# Altium PCB PCB1.PcbDoc (part 2 of 2)
Units mm, origin at the board's own origin, x right, y up, seen from the top; angles counter-clockwise.
Board outline 100 x 60 mm, 2 copper layers (Top Layer, Bottom Layer), stack 1.271 mm thick; 133 components, 105 nets, 458 pads, 250 vias.
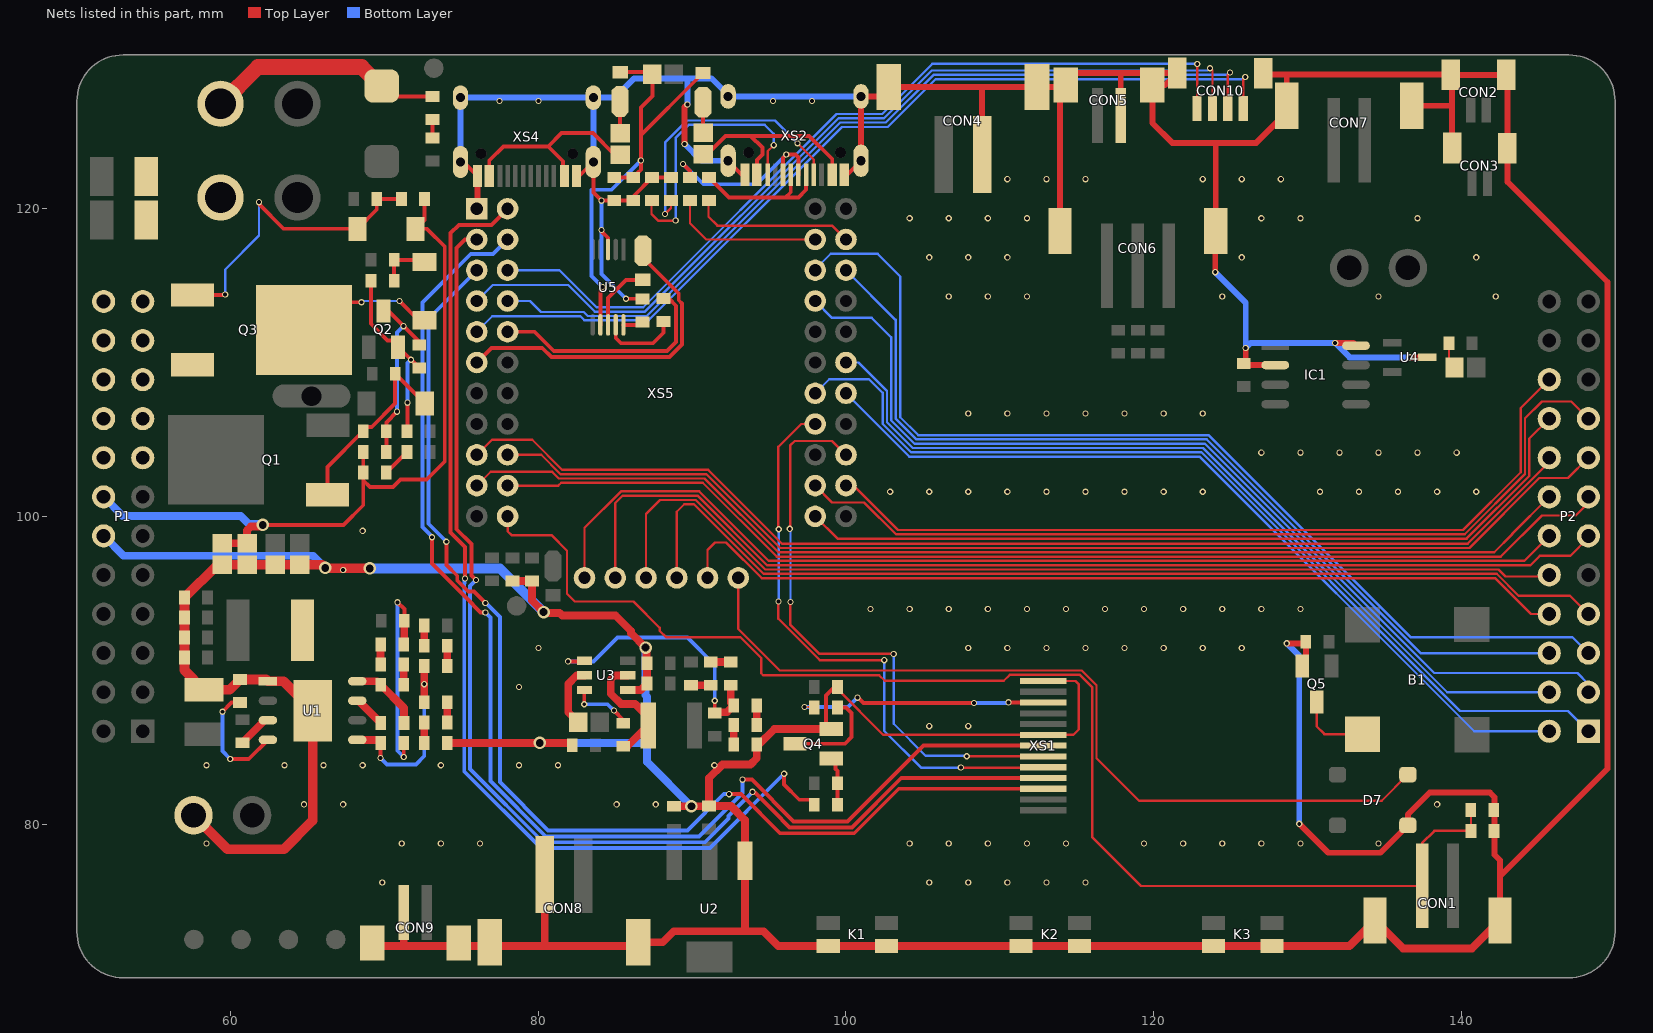
[diagram p2: the nets of this part, all layers, seen from the top]

## Via types
v1: diameter 0.406, hole 0.254, Top Layer to Bottom Layer, 227 vias
v2: diameter 0.813, hole 0.508, Top Layer to Bottom Layer, 23 vias

## Nets (pads, with @x,y where several pads share a name; then routed paths per layer and width w, separated by ;. In a path a pad name is that pad's centre, name@x,y a point inside that pad or via, vN(x,y) a via of type N, cw(c..) or ccw(c..) an arc to the next point about the centre after c; other vN are vias at no path point) (continued)
GND: 12V.2 C3.2 C4.2 C5.2 C6.2 C7.1 C17.1 C18.1 C19.1 C20.2 C21.2 C23.1 C24.2 C25.2 C26.1 C27.1 C28.1 C29.1 CON1.0 CON2.0 CON3.0 CON4.0 CON4.2 CON5.0 CON5.2 CON6.0 CON7.0 CON8.0 CON8.2 CON9.0 CON9.2 CON10.0 D7.3 IC1.2 IC1.8 K1.2 K2.2 K3.2 P1.12 Q4.2 Q5.2 R9.2 R15.1 R21.2 R22.1 R23.2 R24.1 R30.1 R31.2 R32.2 R43.2 R49.1 R50.1 U1.1 U1.9 U2.1 U3.1 U4.3 U5.3 XS1.8 XS1.13 XS2.13 XS2.14 XS2.15 XS2.16 XS2.A1B12 XS2.B1A12 XS4.13 XS4.14 XS4.15 XS4.16 XS4.A1B12 XS4.B1A12 XS5.1 | length 524.9
  Top Layer w0.152: C23.1@99.441,88.9 99.441,88.773 102.421,85.793 XS1.8@112.827,85.793 114.774,85.793 115.138,86.157 115.138,89.078 114.923,89.293 XS1.13@112.827,89.293
  Top Layer w0.254: XS4.14@74.936,123.041 75.121,123.041 XS4.B1A12@76.036,122.126 ; XS4.A1B12@82.481,122.126 82.661,122.126 XS4.13@83.576,123.041 83.576,121.046 v1(84.099,120.523) 84.926,120.523 C26.1@84.938,120.535 C27.1@86.167,120.535 86.167,120.806 R31.2@87.396,122.035 R32.2@88.626,122.035 ; v1(84.099,118.618) 84.099,118.577 84.176,118.501 84.176,118.466 84.526,118.115 84.526,117.353 U5.3@84.531,117.348 ; v1(85.7,114.148) 86.754,114.148 C25.2@86.766,114.136 ; XS2.14@92.335,123.117 93.25,122.202 XS2.B1A12@93.435,122.202 ; Q4.2@98.73,86.167 98.691,86.206 98.691,88.35 99.241,88.9 C23.1@99.441,88.9 ; XS2.A1B12@99.88,122.202 100.06,122.202 XS2.13@100.975,123.117
  Top Layer w0.381: XS5.1@76,120 76.036,120.036 XS4.B1A12@76.036,122.126 ; v1(89.51,124.206) 89.51,126.619 v1@89.637,126.746 ; XS2.13@100.975,123.117 XS2.15@100.975,127.297 102.151,127.297 CON4.0@102.768,127.914 108.966,127.914 ; CON4.2@108.844,123.515 108.844,127.793 108.966,127.914 ; CON6.0@113.91,118.542 113.91,127.673 CON5.0@114.151,127.914 ; CON5.2@117.858,126.06 117.858,128.765 117.805,128.817 ; v1(124.003,115.875) 124.003,118.507 CON6.0@124.038,118.542 124.038,124.184 123.939,124.282 ; v1(125.984,110.947) 125.984,110.072 C24.2@125.857,109.945 125.972,109.83 IC1.2@127.906,109.83 ; CON10.0@127.125,128.803 127.213,128.716 128.651,128.716 ; v1(128.651,91.745) 129.793,91.745 R50.1@129.894,91.846 129.894,90.516 Q5.2@129.657,90.278 ; v1(129.464,80.01) 131.343,78.13 134.747,78.13 D7.3@136.525,79.908 136.525,80.62 137.947,82.042 141.859,82.042 142.164,81.737 142.164,78.003 142.519,77.648 142.519,76.606 ; v1(131.801,111.277) 132.978,111.277 IC1.8@133.156,111.1 ; v1(136.652,110.338) U4.3@137.795,110.338 ; CON7.0@136.779,126.695 139.297,126.695 139.399,126.594 ; CON3.0@139.399,123.941 139.399,126.594 ; CON1.0@142.519,73.736 142.519,76.606 ; 108.966,127.914 CON4.0@112.42,127.914 CON5.0@114.151,127.914 ; CON5.0@114.151,127.914 CON5.0@114.278,128.041 115.054,128.817 117.805,128.817 ; 117.805,128.817 CON10.0@121.525,128.817 120.749,128.041 CON5.0@119.914,128.041 119.914,125.577 121.209,124.282 123.939,124.282 ; 123.939,124.282 126.67,124.282 128.651,126.263 CON7.0@128.651,126.695 128.651,128.716 ; 128.651,128.716 CON2.0@139.322,128.716 CON2.0@139.336,128.702 ; CON2.0@139.336,128.702 139.399,128.64 139.399,126.594 ; CON2.0@139.336,128.702 CON2.0@142.922,128.702 142.999,128.626 CON3.0@142.999,123.927 142.999,121.746 149.504,115.24 149.504,83.591 142.519,76.606
  Top Layer w0.508: CON9.0@69.189,72.263 69.189,72.063 71.272,72.063 ; CON9.2@71.245,74.244 71.245,72.09 71.272,72.063 ; R15.1@74.08,85.268 82.054,85.268 C19.1@82.206,85.115 ; R49.1@78.308,95.795 C29.1@79.578,95.795 79.578,94.539 80.399,93.718 81.382,93.718 81.552,93.548 85.024,93.548 86.033,92.54 86.033,92.402 v2(86.97,91.465) ; CON8.2@80.411,76.713 80.411,72.17 80.518,72.063 ; U3.1@85.801,88.712 86.655,88.712 C20.2@87.071,89.129 C21.2@87.071,90.449 87.02,90.5 v2@87.02,91.491 ; C18.1@88.824,81.154 v2(89.948,81.154) 91.072,81.154 C17.1@91.084,81.166 ; Q4.2@98.73,86.167 95.336,86.167 94.336,85.166 R30.1@94.197,85.166 94.197,84.279 93.789,83.871 91.973,83.871 91.084,82.982 C17.1@91.084,81.166 ; CON1.0@142.519,73.736 140.691,71.907 136.22,71.907 CON1.0@134.391,73.736 132.728,72.073 K3.2@127.689,72.073 K3.2@123.889,72.073 K2.2@115.167,72.073 K2.2@111.367,72.073 K1.2@102.645,72.073 K1.2@98.845,72.073 95.592,72.073 94.64,73.025 93.523,73.025 ; 71.272,72.063 80.518,72.063 ; 80.518,72.063 86.236,72.063 CON8.0@86.487,72.314 88.087,72.314 88.798,73.025 93.523,73.025 ; C17.1@91.084,81.166 92.519,81.166 93.435,80.25 U2.1@93.435,77.622 93.435,73.113 93.523,73.025
  Top Layer w0.635: 12V.2@57.582,80.569 59.792,78.359 63.475,78.359 65.329,80.213 U1.9@65.329,87.376 63.424,89.281 U1.1@62.42,89.281 62.305,89.396 R9.2@60.604,89.396 59.933,88.724 C7.1@58.268,88.724 56.996,89.996 C3.2@56.996,90.83 C4.2@56.996,92.126 C5.2@56.996,93.421 C6.2@56.996,94.717 59.127,96.847 R23.2@59.436,96.847 R21.2@61.061,96.847 R24.1@64.491,96.847 v2@65.941,96.847 ; v2@66.156,96.633 69.029,96.633 v2(69.043,96.618)
  Bottom Layer w0.254: v1(84.099,120.523) v1(84.099,118.618) 84.099,115.748 v1(85.7,114.148)
  Bottom Layer w0.381: XS4.14@74.936,123.041 XS4.16@74.936,127.221 XS4.15@83.576,127.221 ; XS4.13@83.576,123.041 XS4.15@83.576,127.221 ; v1(89.51,124.206) 90.598,123.117 XS2.14@92.335,123.117 ; v1(89.687,126.771) 89.687,128.398 89.613,128.473 ; XS2.15@100.975,127.297 XS2.16@92.335,127.297 92.335,127.4 91.262,128.473 89.613,128.473 ; v1(124.003,115.875) 125.984,113.894 v1(125.984,110.947) 126.314,111.277 v1(131.801,111.277) 132.74,110.338 v1(136.652,110.338) ; v1(128.651,91.745) 129.464,90.932 v1(129.464,80.01) ; XS4.15@83.576,127.221 84.981,127.221 86.233,128.473 89.613,128.473
  Bottom Layer w0.508: P1.12@51.74,98.73 53.035,97.434 65.354,97.434 v2(66.142,96.647) ; v2(80.086,85.268) 87.046,85.268 87.071,85.242 ; v2(86.97,91.465) 86.97,88.376 87.071,88.275 87.071,85.242 ; v2(89.948,81.154) 87.071,84.031 87.071,85.242
  Bottom Layer w0.635: v2(69.043,96.618) 77.499,96.618 v2(80.34,93.777)
  other v1: 69.85,76.2 105.41,76.2 107.95,76.2 110.49,76.2 113.03,76.2 115.57,76.2 58.42,78.74 71.12,78.74 73.66,78.74 76.2,78.74 104.14,78.74 106.68,78.74 109.22,78.74 111.76,78.74 114.3,78.74 119.38,78.74 121.92,78.74 124.46,78.74 127,78.74 129.54,78.74 134.62,78.74 64.77,81.28 67.31,81.28 85.09,81.28 87.63,81.28 138.43,81.28 58.42,83.82 63.5,83.82 66.04,83.82 68.58,83.82 73.66,83.82 78.74,83.82 81.28,83.82 91.44,83.82 105.41,86.36 107.95,86.36 78.74,88.9 80.01,91.44 107.95,91.44 110.49,91.44 113.03,91.44 115.57,91.44 118.11,91.44 120.65,91.44 123.19,91.44 125.73,91.44 101.6,93.98 104.14,93.98 106.68,93.98 109.22,93.98 111.76,93.98 114.3,93.98 116.84,93.98 119.38,93.98 121.92,93.98 124.46,93.98 127,93.98 129.54,93.98 67.31,96.52 68.58,99.06 102.87,101.6 105.41,101.6 107.95,101.6 110.49,101.6 113.03,101.6 115.57,101.6 118.11,101.6 120.65,101.6 123.19,101.6 130.81,101.6 133.35,101.6 135.89,101.6 138.43,101.6 140.97,101.6 127,104.14 129.54,104.14 132.08,104.14 134.62,104.14 137.16,104.14 139.7,104.14 107.95,106.68 110.49,106.68 113.03,106.68 115.57,106.68 118.11,106.68 120.65,106.68 123.19,106.68 106.68,114.3 109.22,114.3 111.76,114.3 124.46,114.3 134.62,114.3 142.24,114.3 105.41,116.84 107.95,116.84 110.49,116.84 125.73,116.84 140.97,116.84 104.14,119.38 106.68,119.38 109.22,119.38 111.76,119.38 127,119.38 129.54,119.38 137.16,119.38 110.49,121.92 113.03,121.92 115.57,121.92 123.19,121.92 125.73,121.92 128.27,121.92 77.47,127 80.01,127 95.25,127 97.79,127
HIN1: P2.3 XS5.44 | length 64.3
  Bottom Layer w0.152: XS5.44@98,114 99.097,112.903 100.374,112.903 101.676,112.903 102.946,111.633 102.946,106.239 104.461,104.724 123.334,104.724 138.244,89.814 147.549,89.814 148.26,89.103 P2.3@148.26,88.57
HIN2: P2.6 XS5.45 | length 59.8
  Bottom Layer w0.152: XS5.45@100,116 103.226,112.774 103.226,106.355 104.577,105.004 123.45,105.004 137.343,91.11 P2.6@145.72,91.11
HIN3: P2.5 XS5.46 | length 66.8
  Bottom Layer w0.152: XS5.46@98,116 98,116.059 99.009,117.069 102.057,117.069 103.53,115.595 103.53,106.445 104.693,105.283 123.565,105.283 136.697,92.151 147.219,92.151 P2.5@148.26,91.11
IA: P2.12 XS5.23 | length 69.5
  Top Layer w0.152: XS5.23@83,96 83,99.256 85.369,101.625 90.461,101.625 94.982,97.104 144.094,97.104 P2.12@145.72,98.73
IB: P2.11 XS5.24 | length 71.1
  Top Layer w0.152: XS5.24@85,96 85,100.861 85.485,101.346 90.345,101.346 94.866,96.825 144.501,96.825 145.11,97.434 147.091,97.434 148.26,98.603 P2.11@148.26,98.73
IBUS: P2.13 XS5.20 | length 74.2
  Top Layer w0.152: XS5.20@78,102 81.299,102 81.483,102.184 90.692,102.184 95.493,97.384 142.57,97.384 145.237,100.051 147.447,100.051 148.26,100.863 P2.13@148.26,101.27
IC: P2.14 XS5.19 | length 73.8
  Top Layer w0.152: XS5.19@76,102 76.903,102.903 78.374,102.903 78.382,102.895 80.896,102.895 81.328,102.464 90.808,102.464 95.608,97.663 142.138,97.663 143.305,98.83 143.305,98.856 P2.14@145.72,101.27
LCD_BLK: R40.2 XS5.2 | length 67.9
  Top Layer w0.254: v1(75.232,95.96) 75.232,98.021 74.295,98.958 74.295,118.415 74.834,118.954 76.954,118.954 XS5.2@78,120 ; v1(95.981,83.267) 95.981,82.555 96.959,81.578 97.718,81.578 97.941,81.355 R40.2@97.941,81.255
  Bottom Layer w0.254: v1(75.232,95.96) 75.203,95.93 75.203,95.656 75.184,95.636 75.184,83.414 80.162,78.435 91.149,78.435 v1(95.981,83.267)
LCD_CS: XS1.7 XS5.4 | length 83
  Top Layer w0.254: v1(73.08,98.64) 73.08,96.926 75.283,94.723 76.246,93.76 76.547,93.76 v1(76.556,93.751) ; v1(93.269,82.88) 93.878,82.88 96.596,80.162 100.101,80.162 105.032,85.093 XS1.7@112.827,85.093
  Bottom Layer w0.254: v1(73.08,98.64) 73.08,98.681 72.466,99.295 72.466,113.907 75.605,117.046 77.046,117.046 XS5.4@78,118 ; v1(76.556,93.751) 76.886,93.421 76.886,82.789 80.478,79.197 90.455,79.197 93.269,82.011 v1(93.269,82.88)
LCD_DC: XS1.5 XS5.36 | length 38.1
  Top Layer w0.152: v1(95.606,94.463) 95.606,93.345 98.298,90.653 v1(102.489,90.653) ; v1(95.631,99.162) 95.606,99.187 95.606,104.521 97.085,106 XS5.36@98,106 ; v1(107.467,83.668) 112.801,83.668 XS1.5@112.827,83.693
  Bottom Layer w0.152: v1(95.606,94.463) 95.631,94.488 v1(95.631,99.162) ; v1(102.489,90.653) 102.489,86.055 104.877,83.668 v1(107.467,83.668)
LCD_RES: XS1.6 XS5.33 | length 38.5
  Top Layer w0.152: v1(96.342,99.187) 96.368,99.212 96.368,104.597 96.674,104.903 99.097,104.903 XS5.33@100,104 ; v1(96.393,94.437) 96.368,94.412 96.368,92.978 98.287,91.059 v1(103.099,91.059) ; v1(107.848,84.404) 112.815,84.404 XS1.6@112.827,84.393
  Bottom Layer w0.152: v1(96.342,99.187) 96.393,99.136 v1(96.393,94.437) ; v1(103.099,91.059) 103.099,86.512 105.181,84.43 107.823,84.43 v1(107.848,84.404)
LCD_SCL: XS1.4 XS5.3 | length 79.1
  Top Layer w0.254: v1(75.946,95.86) 75.641,96.164 75.641,98.196 74.676,99.162 74.676,117.45 75.226,118 XS5.3@76,118 ; v1(93.926,82.091) 93.967,82.091 94.043,82.015 94.105,82.015 95.314,80.806 96.339,79.781 100.381,79.781 103.592,82.993 XS1.4@112.827,82.993
  Bottom Layer w0.254: v1(75.946,95.86) 75.565,95.479 75.565,83.571 80.32,78.816 90.83,78.816 92.364,80.349 92.364,80.529 v1(93.926,82.091)
LCD_SDA: XS1.3 XS5.5 | length 76.6
  Top Layer w0.254: v1(74.016,98.351) 74.016,96.85 74.727,96.139 74.727,95.819 75.441,95.104 75.812,95.104 v1(76.556,94.361) ; v1(92.405,81.94) 93.167,81.94 95.707,79.4 100.539,79.4 103.431,82.293 XS1.3@112.827,82.293
  Bottom Layer w0.254: v1(74.016,98.351) 72.847,99.519 72.847,112.847 XS5.5@76,116 ; v1(76.556,94.361) 76.593,94.361 77.495,93.458 77.495,82.719 80.636,79.578 89.687,79.578 92.05,81.94 v1(92.405,81.94)
LIN1: P2.2 XS5.37 | length 54.8
  Bottom Layer w0.152: XS5.37@100,108 104.114,103.886 122.987,103.886 140.843,86.03 P2.2@145.72,86.03
LIN2: P2.1 XS5.38 | length 61.3
  Bottom Layer w0.152: XS5.38@98,108 98.915,108.915 101.498,108.915 102.387,108.026 102.387,106.008 104.23,104.165 123.103,104.165 139.917,87.351 146.939,87.351 P2.1@148.26,86.03
LIN3: P2.4 XS5.39 | length 55.8
  Bottom Layer w0.152: XS5.39@100,110 100.809,110 102.667,108.142 102.667,106.123 104.345,104.445 123.218,104.445 139.093,88.57 P2.4@145.72,88.57
MA_ADC: P2.8 XS5.27 | length 58.7
  Top Layer w0.152: XS5.27@91,96 91,97.807 91.491,98.298 92.208,98.298 94.519,95.987 142.189,95.987 144.526,93.65 P2.8@145.72,93.65
MB_ADC: P2.7 XS5.26 | length 66.7
  Top Layer w0.152: XS5.26@89,96 89,100.303 89.484,100.787 90.113,100.787 94.635,96.266 142.305,96.266 143.727,94.844 147.066,94.844 P2.7@148.26,93.65
MC_ADC: P2.10 XS5.25 | length 65.4
  Top Layer w0.152: XS5.25@87,96 87,100.157 87.909,101.067 90.229,101.067 94.75,96.545 142.421,96.545 142.878,96.088 145.618,96.088 P2.10@145.72,96.19
NetB1_2: B1.2 Q5.3 | length 4.8
  Top Layer w0.152: Q5.3@130.607,87.928 130.607,86.335 131.1,85.841 B1.2@133.577,85.841
NetC1_1: C1.1 L1.1 R6.2 U1.8 | length 4.7
  Top Layer w0.508: U1.8@68.229,89.281 69.518,89.281 R6.2@69.747,89.052 71.26,87.539 C1.1@71.26,86.563
NetC1_2: C1.2 U1.7 | length 2.1
  Top Layer w0.508: U1.7@68.229,88.011 68.313,88.011 C1.2@69.76,86.563
NetC2_2: C2.2 C8.1 R8.1 | length 14.1
  Top Layer w0.254: v1(70.841,94.412) 71.286,93.967 C2.2@71.286,93.218 ; v1(71.247,84.353) C8.1@71.247,85.268
  Top Layer w0.508: R8.1@71.247,91.669 71.286,91.707 C2.2@71.286,93.218
  Bottom Layer w0.254: v1(70.841,94.412) 70.841,84.76 v1(71.247,84.353)
NetC8_2: C8.2 R3.1 R13.2 U1.5 | length 12.8
  Top Layer w0.254: v1(69.736,84.29) 69.736,85.256 C8.2@69.747,85.268
  Top Layer w0.508: U1.5@68.229,85.471 69.544,85.471 C8.2@69.747,85.268 ; R13.2@72.58,87.92 v1(72.58,89.09) R3.1@72.58,90.261
  Bottom Layer w0.254: v1(69.736,84.29) 70.155,83.871 72.034,83.871 72.58,84.416 v1(72.58,89.09)
NetC9_1: C9.1 D1.1 Q1.1 R18.2 | length 12.4
  Top Layer w0.254: Q1.1@66.288,101.408 66.288,103.208 R18.2@68.617,105.537 68.617,105.596 68.84,105.819 69.167,105.819 70.688,107.34 70.688,109.044 70.802,109.157 D1.1@72.619,107.34
NetC10_2: C10.2 R12.1 | length 1.9
  Top Layer w0.254: C10.2@70.117,102.845 71.462,104.189 R12.1@71.462,104.191
NetC11_2: C11.2 D3.2 Q3.1 R10.1 | length 20.3
  Top Layer w0.254: Q3.1@57.528,114.39 59.602,114.39 v1(59.639,114.427) ; v1(61.839,120.426) 61.839,120.305 63.449,118.694 D3.2@68.237,118.694 69.494,119.952 R10.1@69.494,120.625 C11.2@71.107,120.625
  Bottom Layer w0.152: v1(59.639,114.427) 59.639,116.053 61.839,118.252 v1(61.839,120.426)
NetC12_1: C12.1 Q2.3 R18.1 R19.2 | length 12
  Top Layer w0.254: Q2.3@69.926,113.341 70.25,113.341 72.26,111.331 C12.1@72.26,111.138 ; R19.2@70.117,104.191 R18.1@70.117,105.537 70.117,106.109 v1(70.815,106.807)
  Bottom Layer w0.254: v1(70.815,106.807) 70.815,111.954 v1(71.226,112.365)
NetC12_2: C12.2 Q2.2 R1.2 R16.1 | length 12
  Top Layer w0.254: R16.1@69.125,115.316 69.063,115.253 69.115,115.2 69.115,112.52 70.194,111.441 70.553,111.441 70.876,111.118 Q2.2@70.876,110.991 70.907,110.991 C12.2@72.26,109.638 ; R1.2@71.462,105.537 71.501,105.576 v1(71.501,107.391)
  Bottom Layer w0.254: v1(71.501,107.391) 71.501,109.979 v1@71.71,110.188
  other v1: 71.72,110.182
NetC13_1: C13.1 U3.6 | length 4.1
  Top Layer w0.254: v1(82.982,87.782) 82.982,88.693 U3.6@83.001,88.712 ; v1(84.912,87.376) 85.522,86.766 C13.1@85.522,86.551
  Bottom Layer w0.254: v1(82.982,87.782) 84.506,87.782 v1(84.912,87.376)
NetC13_2: C13.2 L2.2 U3.2 | length 7.9
  Top Layer w0.508: C13.2@85.522,85.051 85.788,85.051 L2.2@87.147,86.411 87.147,86.944 86.284,87.808 85.369,87.808 84.709,88.468 84.709,89.408 84.963,89.662 U3.2@85.801,89.662
NetC14_2: C14.2 R17.1 | length 1.2
  Top Layer w0.254: R17.1@73.127,124.6 C14.2@73.127,125.793
NetC22_1: C22.1 R27.1 R28.2 U3.4 | length 17.9
  Top Layer w0.254: v1(81.94,90.576) 82.965,90.576 U3.4@83.001,90.612 ; C22.1@91.465,87.212 91.465,87.267 v1(91.465,88.011)
  Top Layer w0.508: C22.1@91.465,87.267 92.258,87.267 R28.2@92.697,87.706 92.507,87.896 R27.1@92.507,89.026
  Bottom Layer w0.254: v1(81.94,90.576) 83.591,90.576 85.141,92.126 89.687,92.126 91.465,90.348 v1(91.465,88.011)
NetC25_1: C25.1 U5.10 | length 1.3
  Top Layer w0.254: U5.10@85.531,112.448 86.579,112.448 C25.1@86.766,112.636
NetD4_2: D4.2 R11.1 R16.2 | length 3.4
  Top Layer w0.254: R16.2@70.625,115.316 R11.1@70.625,116.678 72.451,116.678 D4.2@72.593,116.536
NetD5_1: D5.1 R34.2 | length 2
  Top Layer w0.254: D5.1@90.703,126.924 90.703,124.957 R34.2@90.729,124.931
NetD6_2: D6.2 U5.8 | length 4.5
  Top Layer w0.254: U5.8@84.531,112.448 84.531,114.198 85.705,115.372 D6.2@86.792,115.372
NetD8_1: D8.1 R44.2 | length 2.1
  Top Layer w0.254: R44.2@85.319,124.906 D8.1@85.319,126.975
NetQ4_1: Q4.1 R38.2 R40.1 | length 3.2
  Top Layer w0.254: Q4.1@99.041,84.267 99.321,83.988 99.321,83.585 99.441,83.464 R40.1@99.441,81.255
NetQ4_3: Q4.3 R39.2 | length 6.5
  Top Layer w0.254: Q4.3@96.691,85.217 99.924,85.217 100.355,85.649 100.355,87.224 100,87.579 R39.2@99.441,87.579
NetR2_1: R2.1 U1.3 | length 2.3
  Top Layer w0.508: R2.1@60.757,85.28 62.218,86.741 U1.3@62.42,86.741
NetR3_2: R3.2 R4.1 | length 1.3
  Top Layer w0.508: R3.2@74.08,90.261 R4.1@74.08,91.587
NetR4_2: R4.2 R5.1 | length 1.3
  Top Layer w0.508: R4.2@72.58,91.587 R5.1@72.58,92.913
NetR6_1: R6.1 R7.2 | length 1.3
  Top Layer w0.508: R6.1@71.247,89.052 R7.2@71.247,90.373
NetR7_1: R7.1 R8.2 | length 1.3
  Top Layer w0.508: R7.1@69.747,90.373 R8.2@69.747,91.669
NetR9_1: R9.1 U1.4 | length 7.6
  Top Layer w0.254: v1(59.461,87.3) 60.058,87.896 R9.1@60.604,87.896 ; v1(59.969,84.226) 61.175,84.226 U1.4@62.42,85.471
  Bottom Layer w0.254: v1(59.461,87.3) 59.461,84.734 v1(59.969,84.226)
NetR13_1: R13.1 R14.2 | length 1.3
  Top Layer w0.508: R14.2@74.08,86.594 R13.1@74.08,87.92
NetR14_1: R14.1 R15.2 | length 1.3
  Top Layer w0.508: R15.2@72.58,85.268 R14.1@72.58,86.594
NetR20_1: R20.1 U3.5 | length 4
  Top Layer w0.508: R20.1@82.587,86.614 81.94,87.26 81.94,89.103 82.499,89.662 U3.5@83.001,89.662
NetR25_1: R25.1 R26.2 | length 1.3
  Top Layer w0.508: R25.1@89.916,89.026 R26.2@91.211,89.026
NetR26_1: R26.1 R27.2 | length 1.3
  Top Layer w0.508: R26.1@91.211,90.526 R27.2@92.507,90.526
NetR28_1: R28.1 R29.2 | length 1.3
  Top Layer w0.508: R29.2@94.197,86.436 R28.1@94.197,87.706
NetR29_1: R29.1 R30.2 | length 1.3
  Top Layer w0.508: R30.2@92.697,85.166 R29.1@92.697,86.436
NetR31_1: R31.1 XS2.B5 | length 17.8
  Top Layer w0.152: R31.1@87.396,120.535 87.351,120.489 87.351,119.659 87.782,119.228 v1(88.925,119.228) ; XS2.B5@94.905,122.202 94.905,123.734 v1(95.301,124.13)
  Bottom Layer w0.152: v1(88.925,119.228) 88.925,124.598 89.778,125.451 94.717,125.451 95.301,124.866 v1(95.301,124.13)
NetR32_1: R32.1 XS2.A5 | length 18
  Top Layer w0.152: v1(88.24,119.659) 88.626,120.045 R32.1@88.626,120.535 ; v1(96.85,124.257) 97.905,123.202 XS2.A5@97.905,122.203
  Bottom Layer w0.152: v1(88.24,119.659) 88.24,124.308 89.662,125.73 95.377,125.73 v1(96.85,124.257)
NetR33_1: R33.1 R35.1 | length 1.7
  Top Layer w0.152: R35.1@139.204,111.252 139.204,110.032 R33.1@139.559,109.677
NetR34_1: R34.1 XS2.A4B9 XS2.B4A9 | length 13.5
  Top Layer w0.254: R34.1@90.729,123.531 90.969,123.531 92.177,124.739 93.802,124.739 ; XS2.B4A9@94.205,122.202 94.205,123.161 94.564,123.52 94.564,123.977 93.802,124.739 ; XS2.A4B9@99.105,122.202 99.105,123.221 97.587,124.739 93.802,124.739
NetR36_2: R36.2 XS2.A6 XS2.B6 | length 12.5
  Top Layer w0.254: v1(89.408,122.911) 89.855,122.464 R36.2@89.855,122.035 ; XS2.B6@95.905,122.202 95.905,123.312 v1(96.114,123.52) 96.723,123.52 96.905,123.338 XS2.A6@96.905,122.202
  Bottom Layer w0.254: v1(89.408,122.911) 90.729,121.59 94.183,121.59 v1(96.114,123.52)
NetR37_2: R37.2 XS2.A7 XS2.B7 | length 9.7
  Top Layer w0.254: R37.2@91.084,122.035 92.393,120.726 96.063,120.726 ; XS2.A7@96.405,122.202 96.405,121.069 96.063,120.726 ; XS2.B7@97.405,122.202 97.405,121.231 96.901,120.726 96.063,120.726
NetR39_1: R39.1 XS1.11 | length 16.6
  Top Layer w0.152: v1(97.307,87.605) 97.916,87.605 R39.1@97.941,87.579
  Top Layer w0.254: v1(100.74,88.214) 100.781,88.214 101.136,87.859 v1(108.327,87.859) ; v1(110.566,87.909) 110.583,87.893 XS1.11@112.827,87.893
  Bottom Layer w0.254: v1(97.307,87.605) 100.13,87.605 v1(100.74,88.214) ; v1@108.306,87.859 v1(108.327,87.859) 110.515,87.859 v1(110.566,87.909)
NetR41_1: R41.1 U5.9 | length 5.1
  Top Layer w0.254: U5.9@85.031,112.448 85.031,111.59 85.369,111.252 87.452,111.252 88.138,111.938 R41.1@88.138,112.661
NetR44_1: R44.1 XS4.A4B9 XS4.B4A9 | length 13.2
  Top Layer w0.254: XS4.B4A9@76.806,122.126 76.806,123.136 77.724,124.054 80.645,124.054 ; XS4.A4B9@81.706,122.126 81.615,122.217 81.615,123.083 80.645,124.054 ; R44.1@85.319,123.506 84.952,123.506 83.541,124.917 81.509,124.917 80.645,124.054
NTC0: C28.2 CON1.2 R43.1 XS5.22 | length 86
  Top Layer w0.152: XS5.22@78,100 78,99.038 78.257,98.781 80.848,98.781 81.864,97.765 81.864,94.971 82.372,94.463 86.182,94.463 87.884,92.761 87.884,92.567 88.3,92.151 93.126,92.151 94.488,90.789 94.488,89.799 94.625,89.662 102.159,89.662 102.514,89.306 110.261,89.306 110.651,89.696 115.206,89.696 116.002,88.9 116.002,79.146 119.174,75.974 CON1.2@137.455,75.974 137.455,78.756 138.252,79.553 R43.1@140.626,79.553 140.626,80.886 C28.2@140.613,80.899
NTC1: P2.17 XS5.32 | length 57.7
  Top Layer w0.152: XS5.32@98,102 99.097,100.903 101.179,100.903 103.251,98.831 140.231,98.831 144.145,102.746 144.145,106.375 145.237,107.467 147.142,107.467 P2.17@148.26,106.35
NTC2: P2.20 XS5.31 | length 53.4
  Top Layer w0.152: XS5.31@100,102 100.489,102 103.378,99.111 140.115,99.111 143.866,102.862 143.866,107.036 P2.20@145.72,108.89
PA7: D7.4 XS5.28 | length 55
  Top Layer w0.152: XS5.28@93,96 93,92.673 95.697,89.976 115.321,89.976 116.281,89.016 116.281,84.277 119.05,81.509 134.823,81.509 D7.4@136.525,83.21
PA11: R37.1 XS5.47 | length 10.6
  Top Layer w0.152: R37.1@91.084,120.535 91.059,120.51 91.059,119.482 91.637,118.903 99.097,118.903 XS5.47@100,118
PA12: R36.1 XS5.48 | length 10.1
  Top Layer w0.152: R36.1@89.855,120.535 89.855,119.06 90.915,118 XS5.48@98,118
PB3: CON10.2 XS5.7 | length 58
  Top Layer w0.152: v1(123.67,129.134) 123.825,128.978 CON10.2@123.825,126.517
  Bottom Layer w0.152: XS5.7@76,114 77.037,115.037 81.94,115.037 83.668,113.309 86.935,113.309 99.508,125.882 99.749,125.882 102.474,125.882 105.572,128.981 123.517,128.981 v1(123.67,129.134)
PB4: CON10.3 XS5.8 | length 56.3
  Top Layer w0.152: CON10.3@124.825,126.517 124.825,128.714 v1(124.965,128.854)
  Bottom Layer w0.152: XS5.8@78,114 79.461,114 80.177,113.284 82.956,113.284 83.21,113.03 87.05,113.03 99.623,125.603 102.589,125.603 105.688,128.702 124.813,128.702 v1(124.965,128.854)
PB5: CON10.4 XS5.9 | length 59.1
  Top Layer w0.152: CON10.4@125.825,126.517 125.825,128.435 v1(125.956,128.566)
  Bottom Layer w0.152: XS5.9@76,112 77.005,113.005 82.737,113.005 82.991,112.751 87.166,112.751 99.73,125.315 102.709,125.315 105.816,128.422 125.812,128.422 v1(125.956,128.566)
PB6: R41.2 XS5.10 | length 15.1
  Top Layer w0.254: XS5.10@78,112 79.745,112 81.001,110.744 88.367,110.744 88.951,111.328 88.951,113.69 88.48,114.161 R41.2@88.138,114.161
PB7: D6.1 XS5.11 | length 21.5
  Top Layer w0.254: XS5.11@76,110 76.954,110.954 80.252,110.954 80.843,110.363 88.524,110.363 89.332,111.17 89.332,113.848 89.129,114.051 89.129,114.478 86.792,116.815 D6.1@86.792,117.272
PC0: P2.16 XS5.17 | length 75.4
  Top Layer w0.152: XS5.17@76,104 76.009,104 76.987,104.978 79.604,104.978 81.559,103.022 91.039,103.022 95.84,98.222 140.411,98.222 145.72,103.53 P2.16@145.72,103.81
PC1: P2.15 XS5.18 | length 75.2
  Top Layer w0.152: XS5.18@78,104 80.187,104 81.444,102.743 90.924,102.743 95.724,97.942 140.527,97.942 145.074,102.489 146.939,102.489 P2.15@148.26,103.81
PC5: P2.18 XS5.30 | length 53
  Top Layer w0.152: XS5.30@98,100 99.448,98.552 140.346,98.552 144.424,102.63 144.424,105.055 P2.18@145.72,106.35
PD2: CON10.1 XS5.6 | length 55.3
  Top Layer w0.152: CON10.1@122.825,126.517 122.835,126.527 v1(122.835,129.413)
  Bottom Layer w0.152: XS5.6@78,116 81.372,116 83.783,113.589 86.819,113.589 99.392,126.162 99.865,126.162 102.358,126.162 105.609,129.413 v1(122.835,129.413)
PGND: C10.1 C11.1 D3.1 P1.14 P1.15 P1.16 P1.17 P1.18 P1.19 P1.20 P1.21 P1.22 P1.23 P1.24 Q3.3 R19.1 R21.1 R23.1 | length 50
  Top Layer w0.254: v2(62.078,99.441) 67.335,99.441 68.617,100.723 68.617,102.35 ; R19.1@68.617,104.191 C10.1@68.617,102.845 68.617,102.35 ; C11.1@72.607,120.625 72.607,119.279 D3.1@72.022,118.694 72.771,118.694 73.914,117.551 73.914,103.556 72.746,102.387 71.044,102.387 70.561,101.905 69.063,101.905 68.617,102.35
  Top Layer w0.508: R23.1@59.436,98.247 R21.1@61.061,98.247 61.061,99.089 61.307,99.334 61.971,99.334 v2(62.078,99.441)
  Bottom Layer w0.508: P1.14@51.74,101.27 52.985,100.025 60.655,100.025 61.181,99.499 62.019,99.499 v2(62.078,99.441)
PGND_IN: C14.1 C15.1 C16.1 D2.1 D4.1 Q3.2 S1.2 S2.2 | length 24.7
  Top Layer w0.254: Q3.2@64.77,112.116 66.573,113.919 v1(68.504,113.919) ; D2.1@69.825,127.977 70.509,127.293 C14.1@73.127,127.293 ; v1(70.968,113.995) 72.212,112.751 D4.1@72.593,112.751
  Top Layer w1.016: S1.2@59.338,126.822 59.385,126.822 61.773,129.21 68.51,129.21 69.19,128.529 69.272,128.529 D2.1@69.825,127.977
  Bottom Layer w0.152: v1(68.504,113.919) 68.58,113.995 v1(70.968,113.995)
USB_5V: C26.2 C27.2 D5.2 D8.2 R42.2 U5.7 | length 29.6
  Top Layer w0.254: U5.7@84.031,112.448 84.031,114.748 v1(84.181,114.898) ; C26.2@84.938,122.035 86.267,122.035 86.49,122.258 86.49,122.358 86.665,122.533 v1(86.665,123.139) 86.665,124.785 ; D8.2@85.319,128.875 87.265,128.875 R42.2@87.413,128.727 87.413,127.316 86.665,126.568 86.665,124.785 ; D5.2@90.703,128.824 90.603,128.824 90.33,128.551 90.33,128.451 86.665,124.785
  Bottom Layer w0.254: v1(84.181,114.898) 83.464,115.615 83.464,121.234 84.76,121.234 v1(86.665,123.139)
pads on no net: B1.0 D7.2 IC1.5 P2.23 U1.6 U2. U5.4 U5.5 U5.6 XS1.1 XS1.2 XS1.9 XS2. XS2.A8 XS2.B8 XS4. XS4.A5 XS4.A8 XS4.B5 XS4.B8

## Polygon pours and split planes (outlines as drawn)
GND on Bottom Layer "GND_L02_P018" (hatched 45Degree grid 0.508 track 0.203, remove dead copper, pour order 18): 50,73 50,127 cw(c53,127) 53,130 147,130 cw(c147,127) 150,127 150,73 cw(c147,73) 147,70 53,70 cw(c53,73)
DCBUS on Bottom Layer "DCBUS_L02_P014" (solid, remove dead copper, pour order 14): 50.14,99.441 50.14,85.192 50.851,84.48 50.927,84.557 55.651,84.557 55.651,99.644 55.448,99.847 51.664,99.847
PGND on Bottom Layer "PGND_L02_P013" (solid, remove dead copper, pour order 13): 50.292,115.138 50.292,100.203 52.908,100.203 55.651,102.946 55.651,115.316
DCBUS_IN on Bottom Layer "DCBUS_IN_L02_P003" (solid, remove dead copper, pour order 3): 52.502,123.927 52.603,124.028 55.143,124.028 56.058,124.943 64.77,124.943 65.303,124.409 65.227,124.333 65.227,122.987 63.983,122.987 63.373,122.377 63.144,122.606 53.619,122.606 52.832,121.717 52.832,118.161 52.502,117.551 51.46,117.272 50.952,117.272 50.292,117.551 50.292,123.749 50.47,123.927
DCBUS_IN on Bottom Layer "DCBUS_IN_L02_P000" (solid, remove dead copper, pour order 0): 62.433,128.041 62.535,127.94 62.535,106.045 63.779,104.8 68.072,104.8 68.072,106.07 68.504,106.502 69.672,106.502 69.672,108.28 69.317,108.636 67.615,108.636 66.548,109.703 66.548,127.787 65.583,128.753 62.636,128.753
GND on Top Layer "GND_L01_P017" (hatched 45Degree grid 0.508 track 0.203, remove dead copper, pour order 17): 50,73 50,127 cw(c53,127) 53,130 147,130 cw(c147,127) 150,127 150,73 cw(c147,73) 147,70 53,70 cw(c53,73)
NetC1_1 on Top Layer "NETC1_1_L01_P016" (solid, remove dead copper, pour order 16): 63.881,94.564 63.881,90.526 66.116,90.526 67.767,88.875 69.037,88.875 69.444,88.468 69.553,88.577 70.222,88.577 70.222,89.493 70.129,89.586 69.164,89.586 69.164,90.856 65.43,94.59
12V on Top Layer "12V_L01_P015" (solid, remove dead copper, pour order 15): 58.039,95.098 58.039,90.246 61.29,90.246 61.341,90.195 61.493,90.348 61.493,95.225 58.953,95.225 58.572,95.606
DCBUS_IN on Top Layer "DCBUS_IN_L01_P001" (solid, pour order 1): 68.123,108.458 68.402,108.483 68.402,111.76 69.393,111.76 69.52,111.633 69.52,106.451 68.326,106.451 67.742,105.867 67.742,105.105 64.44,105.105 64.313,105.232 62.916,106.629 62.84,108.28 62.916,108.458
PGND on Top Layer "PGND_L01_P006" (solid, remove dead copper, pour order 6): 57.937,110.973 56.49,110.973 55.321,112.141 55.321,115.113 50.571,115.113 50.419,115.265 50.292,115.138 50.292,100.203 52.68,100.203 53.213,100.736 53.213,102.286 54.483,102.286 56.032,103.835 56.032,107.594 57.963,107.594 59.614,109.245 59.614,111.227
PGND_IN on Top Layer "PGND_IN_L01_P005" (solid, remove dead copper, pour order 5): 57.489,128.477 57.489,124.849 56.337,123.698 53.95,123.698 53.518,123.266 53.569,123.215 53.569,117.704 55.728,115.545 59.817,115.545 61.62,113.741 61.62,109.525 66.853,109.525 67.97,110.642 67.97,115.976 64.745,117.907 62.052,119.075 61.239,119.888 61.239,128.499 59.919,128.499 59.36,129.057
DCBUS_IN on Top Layer "DCBUS_IN_L01_P004" (solid, remove dead copper, pour order 4): 50.902,123.901 50.597,123.901 50.165,123.469 50.343,123.292 50.343,117.551 52.553,117.551 52.781,117.78 52.781,123.647
DCBUS on Top Layer "DCBUS_L01_P002" (solid, remove dead copper, pour order 2): 58.218,98.7 58.191,98.674 58.191,96.164 56.439,95.885 55.804,95.402 55.651,84.557 55.601,84.506 55.499,84.607 50.546,84.607 50.546,96.698 51.486,97.638 52.832,97.638 52.832,99.009 53.873,100.051 55.601,100.025 55.804,106.172 55.804,106.756 62.052,107.086 62.357,106.782 62.357,100.203 58.632,99.171
DCBUS_IN on Bottom Solder "DCBUS_IN_L02_P008" (solid, pour order 8): 62.433,128.041 62.535,127.94 62.535,106.045 63.779,104.8 68.072,104.8 68.072,106.07 68.504,106.502 69.672,106.502 69.672,108.28 69.317,108.636 67.615,108.636 66.548,109.703 66.548,127.787 65.583,128.753 62.636,128.753
PGND_IN on Top Solder "PGND_IN_L01_P012" (solid, pour order 12): 57.489,128.477 57.489,124.849 56.337,123.698 53.95,123.698 53.518,123.266 53.569,123.215 53.569,117.704 55.728,115.545 59.817,115.545 61.62,113.741 61.62,109.525 66.853,109.525 67.97,110.642 67.97,115.976 64.745,117.907 62.052,119.075 61.239,119.888 61.239,128.499 59.919,128.499 59.36,129.057
PGND on Top Solder "PGND_L01_P011" (solid, pour order 11): 57.937,110.973 56.49,110.973 55.321,112.141 55.321,115.113 50.571,115.113 50.419,115.265 50.292,115.138 50.292,100.203 52.68,100.203 53.213,100.736 53.213,102.286 54.483,102.286 55.321,103.124 55.321,107.594 57.963,107.594 59.614,109.245 59.614,111.227
DCBUS on Top Solder "DCBUS_L01_P010" (solid, pour order 10): 58.218,98.7 58.191,98.674 58.191,96.164 56.439,95.885 55.804,95.402 55.651,84.557 55.601,84.506 55.499,84.607 50.546,84.607 50.546,96.698 51.486,97.638 52.832,97.638 52.832,99.009 53.873,100.051 55.581,100.025 55.804,106.756 62.052,107.086 62.357,106.782 62.357,100.203 58.632,99.171
DCBUS_IN on Top Solder "DCBUS_IN_L01_P009" (solid, pour order 9): 68.123,108.458 68.402,108.483 68.402,111.76 69.393,111.76 69.52,111.633 69.52,106.451 68.326,106.451 67.742,105.867 67.742,105.105 64.44,105.105 64.313,105.232 62.916,106.629 62.84,108.28 62.916,108.458

## Keep-outs
Keep-Out Layer:
  circle w0.013: c53,127 r1.6
  circle w0.013: c147,127 r1.6
  circle w0.013: c147,73 r1.6
  circle w0.013: c53,73 r1.6
  lines w0.013: 50,73 ccw(c53,73) 53,70 147,70 ccw(c147,73) 150,73 150,127 ccw(c147,127) 147,130 53,130 ccw(c53,127) 50,127 50,73

## Silkscreen, mask and mechanical layers (free items; w line width, h text height)
Top Overlay:
  drawing of 60 lines, arcs and shapes, not listed
  text "DCIN" at 69.748,129.134 h0.76
  text "USB / /5V" at 86.893,125.501 h0.76
  text "SPI" at 121.463,122.936 h2.29
  text "3V3" at 113.284,121.996 h2.29
  text "I2C" at 134.518,121.818 h1.52
  text "5V" at 101.829,120.98 h2.29
  text "CAN" at 146.558,117.348 h2.29 r90
  text "120R" at 138.938,107.747 h0.76
  text "DCBUS" at 68.529,100.33 h1.02
  text "GND/PGND" at 66.777,97.104 h0.76
  text "BUCK 12V" at 66.406,94.192 h1.02
  text "ADC_DCBUS" at 76.505,92.634 h0.76
  text "100K" at 89.459,91.338 h0.76
  text "453K" at 68.885,90.272 h0.76 r90
  text "453K" at 75.692,90.119 h0.76 r90
  text "13.7K" at 94.513,88.57 h0.76 r90
  text "49.9K" at 75.641,84.861 h0.76 r90
  text "12V" at 69.088,80.874 h2.29
  text "5V" at 79.654,79.934 h2.29
  text "NTC" at 143.154,76.632 h2.29
  text "3V3" at 69.317,76.505 h2.29
  text "◀" at 99.572,75.237 h3.81
  text "■" at 112.344,75.159 h5.08
  text "▶" at 125.073,75.074 h3.81
  text "DCBUS" at 64.719,73.711 h0.76
  text "3V3" at 56.54,70.688 h0.76
  text "5V" at 60.071,70.688 h0.76
  text "12V" at 62.89,70.688 h0.76
Bottom Overlay:
  text "USART" at 73.812,129.108 h2.29 r90
  text "USB" at 104.47,128.6 h2.29 r90
Mechanical 1:
  circle w0.013: c53,127 r1.6
  circle w0.013: c147,127 r1.6
  circle w0.013: c147,73 r1.6
  circle w0.013: c53,73 r1.6
  lines w0.013: 50,73 ccw(c53,73) 53,70 147,70 ccw(c147,73) 150,73 150,127 ccw(c147,127) 147,130 53,130 ccw(c53,127) 50,127 50,73

## Text inside footprints (layer, text, board x,y; h text height)
S1: Top Overlay "IN" at 62.306,128.6 h1.5 r180; Top Overlay "公" at 62.259,125.654 h1.02 r180
S2: Top Overlay "OUT" at 62.56,122.25 h1 r180; Top Overlay "母" at 62.234,119.532 h1.02 r180
XS1: Top Overlay "1" at 117.224,80.665 h1.42 r90; Top Overlay "13" at 117.124,87.796 h1.44 r90
XS5: Top Overlay "PC0" at 80,104.5 h0.6; Top Overlay "PA1" at 80,99.5 h0.6; Top Overlay "PA0" at 80,100.5 h0.6; Top Overlay "PC3" at 80,101.5 h0.6; Top Overlay "PC2" at 80,102.5 h0.6; Top Overlay "PC1" at 80,103.5 h0.6; Top Overlay "PC13" at 80,107.5 h0.6; Top Overlay "PB9" at 80,108.5 h0.6; Top Overlay "PA4" at 87.5,97.5 h0.6 r90; Top Overlay "PA2" at 83.5,97.5 h0.6 r90; Top Overlay "PA3" at 85.5,97.5 h0.6 r90; Top Overlay "PA5" at 89.5,97.5 h0.6 r90; Top Overlay "PA7" at 93.5,97.5 h0.6 r90; Top Overlay "PA6" at 91.5,97.5 h0.6 r90; Top Overlay "PC5" at 94.5,99.5 h0.6; Top Overlay "PC15" at 80,105.5 h0.6; Top Overlay "PC14" at 80,106.5 h0.6; Top Overlay "PB14" at 94.5,107.5 h0.6; Top Overlay "PB10" at 94.5,103.5 h0.6; Top Overlay "PB13" at 94.5,108.5 h0.6; Top Overlay "PB12" at 94.5,105.5 h0.6; Top Overlay "PB11" at 94.5,106.5 h0.6; Top Overlay "PC4" at 94.5,100.5 h0.6; Top Overlay "PB0" at 94.5,102.5 h0.6; Top Overlay "PB2" at 94.5,104.5 h0.6; Top Overlay "PB1" at 94.5,101.5 h0.6; Top Overlay "PB6" at 80,111.5 h0.6; Top Overlay "PB8" at 80,109.5 h0.6; Top Overlay "PB15" at 94.5,110.5 h0.6; Top Overlay "PB14" at 94.5,111.5 h0.6; Top Overlay "PB7" at 80,110.5 h0.6; Top Overlay "PB5" at 80,112.5 h0.6; Top Overlay "PB3" at 80,114.5 h0.6; Top Overlay "PD2" at 80,115.5 h0.6; Top Overlay "PB4" at 80,113.5 h0.6; Top Overlay "GND" at 80,120.5 h0.6; Top Overlay "PC11" at 80,117.5 h0.6; Top Overlay "PC12" at 80,116.5 h0.6; Top Overlay "PC10" at 80,118.5 h0.6; Top Overlay "PA15" at 80,119.5 h0.6; Top Overlay "PA10" at 94.5,115.5 h0.6; Top Overlay "PA12" at 94.5,117.5 h0.6; Top Overlay "PB15" at 94.5,114.5 h0.6; Top Overlay "PC6" at 94.5,109.5 h0.6; Top Overlay "PC7" at 94.5,112.5 h0.6; Top Overlay "PA8" at 94.5,113.5 h0.6; Top Overlay "PA11" at 94.5,118.5 h0.6; Top Overlay "PA9" at 94.5,116.5 h0.6; Top Overlay "3V3" at 94.5,120.5 h0.6; Top Overlay "5V" at 94.5,119.5 h0.6